# KiCad board selen-full_narrow.kicad_pcb
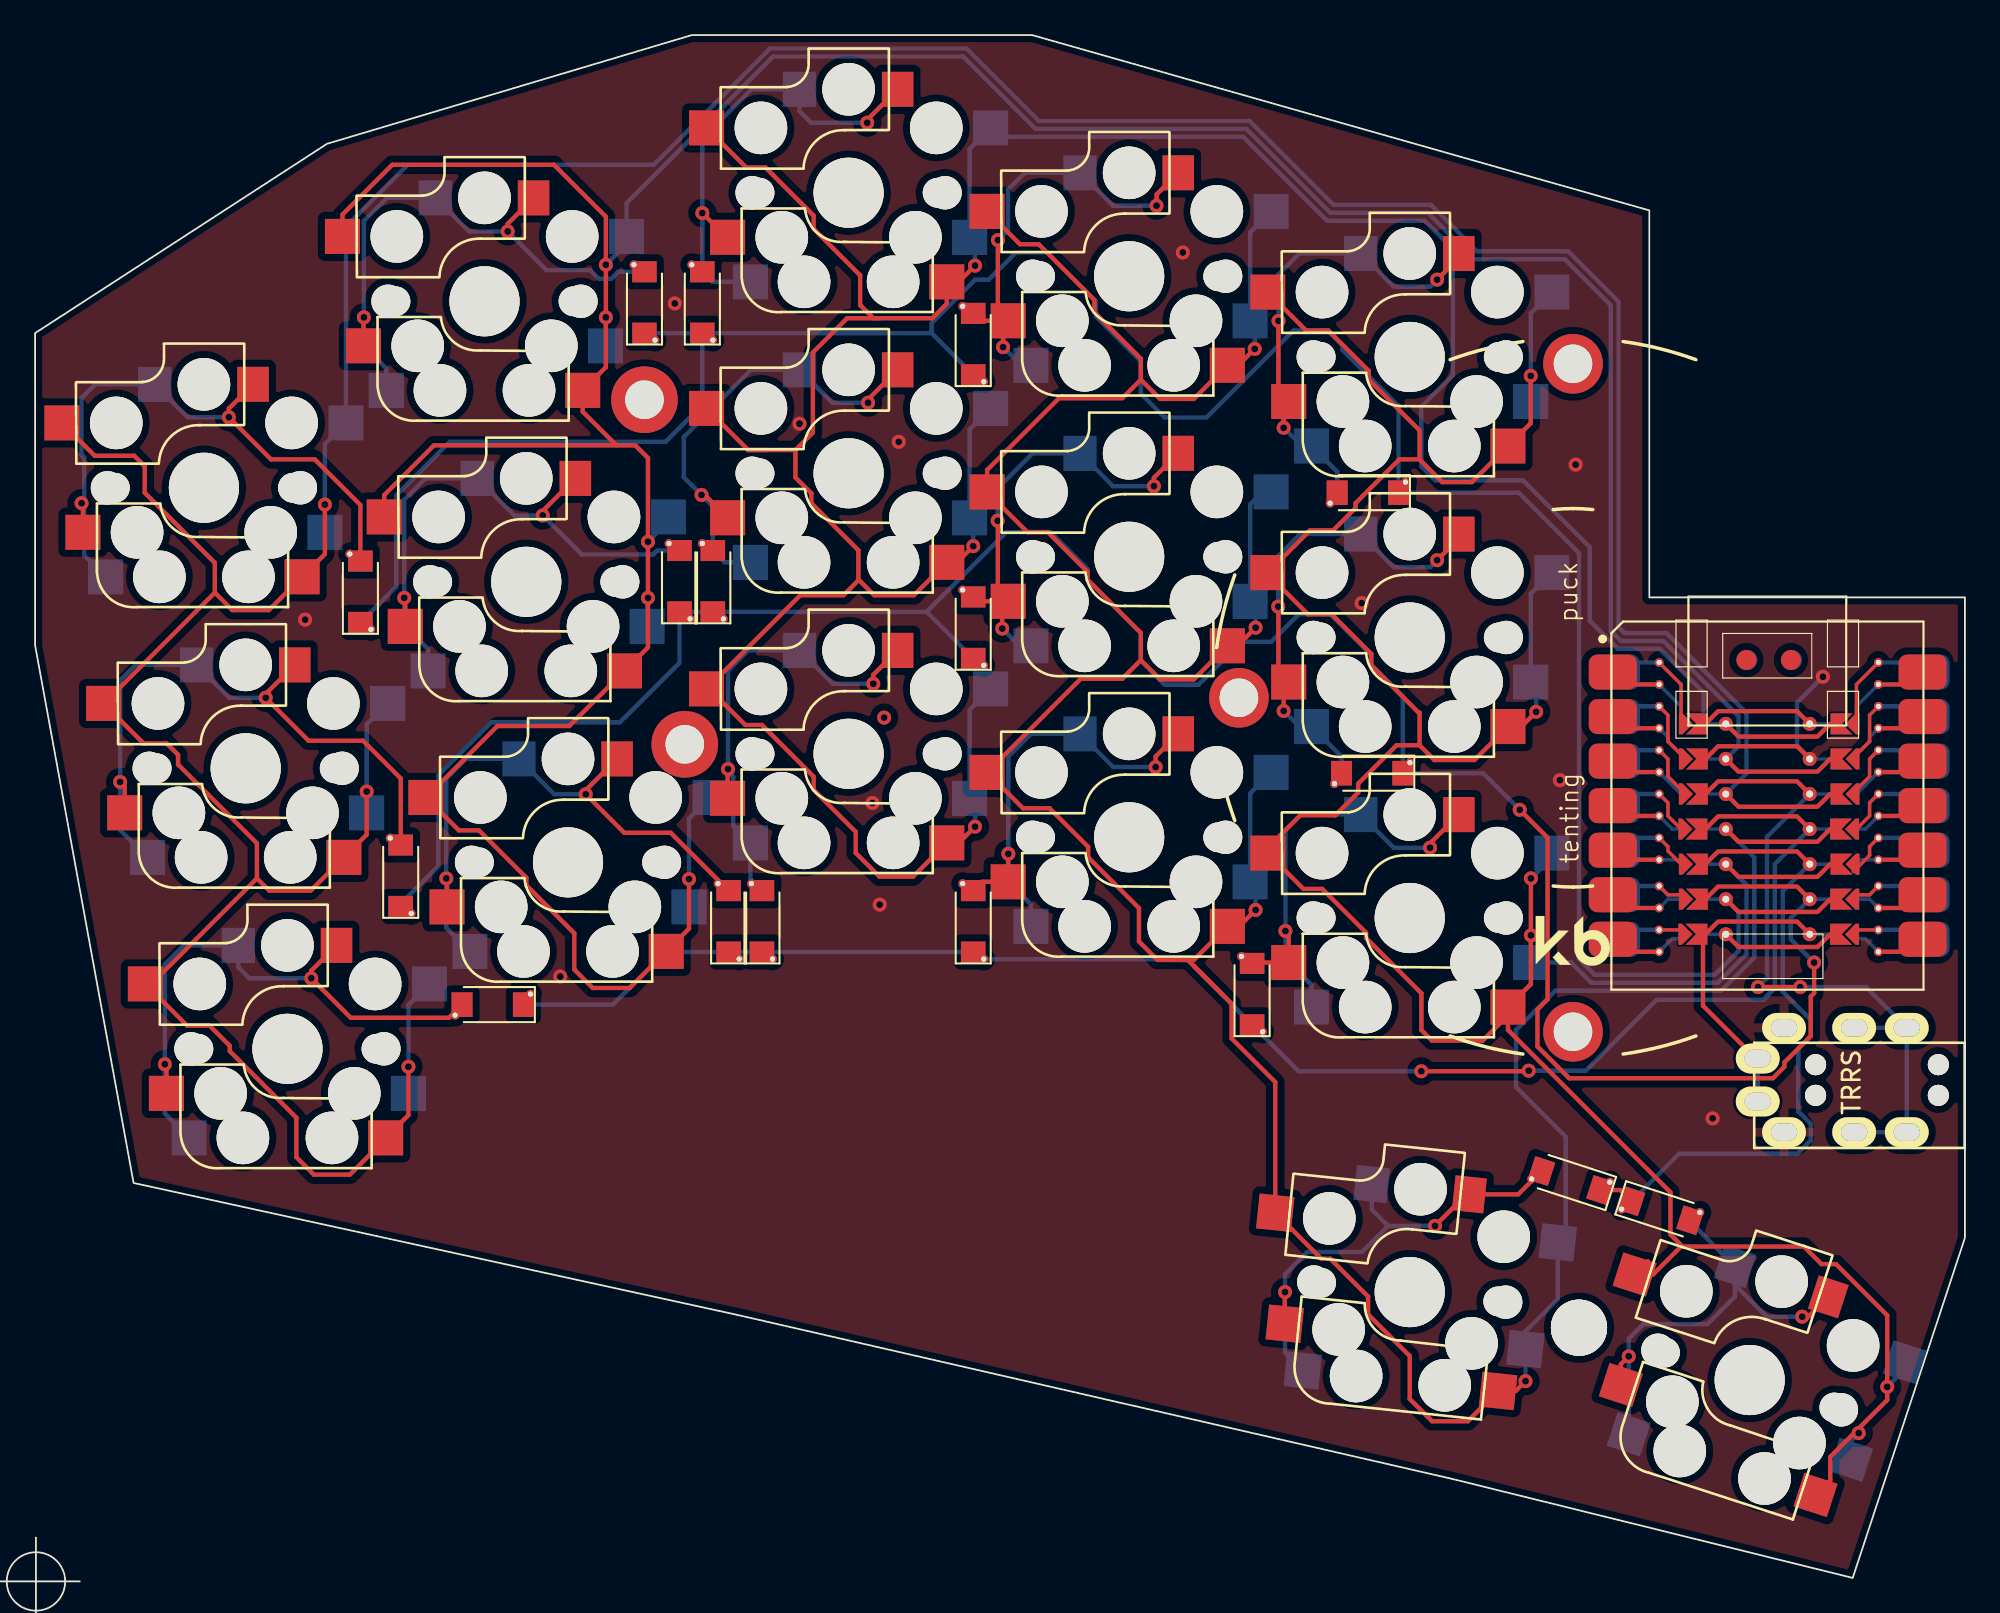
[diagram p0: board, top side]
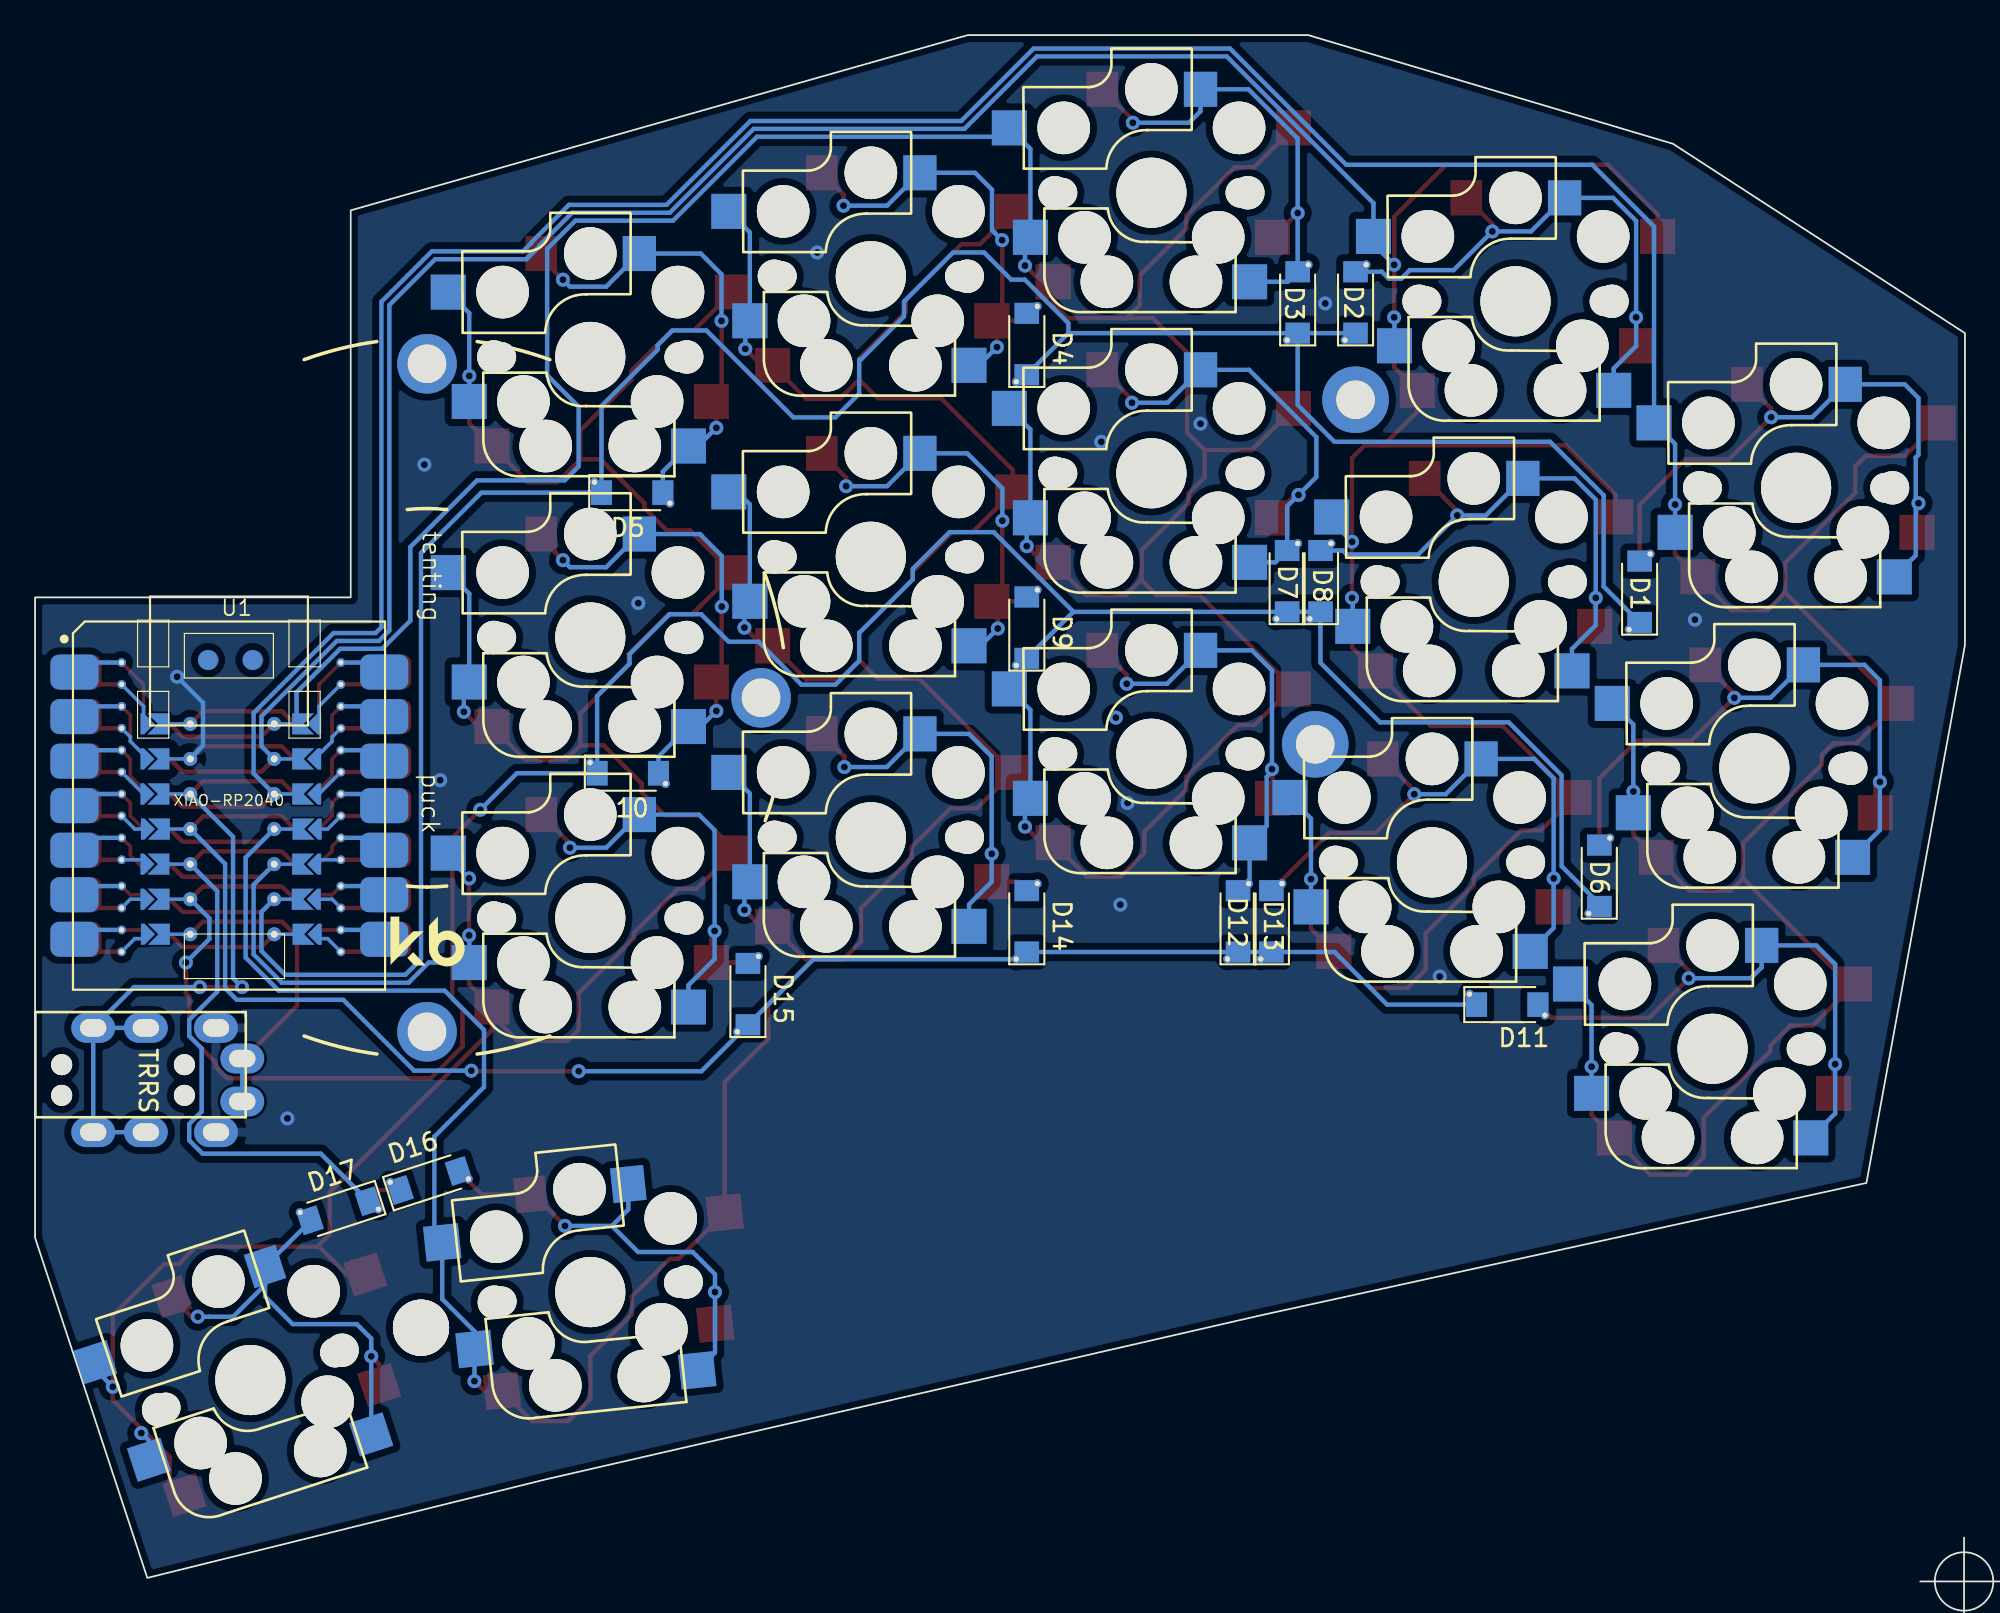
[diagram p1: board, bottom side, seen from below]

Outline 110.05 x 88 mm; copper layers: Top, Bottom. Coordinates in mm from the lower left corner of the outline.
Outline path: 92.05,78 92.05,55.93 110.05,55.93 110.05,19.4 103.65,0 80.8,5.65 61.85,10 40.05,15 5.62,22.53 0,53.2 0,71 16.65,81.8 37.45,88 56.85,88 closed
Stack: Top 0.035mm / dielectric 1.51mm FR4 er 4.5 / Bottom 0.035mm

## Placement (name value [footprint] x y rotation side)
D1  D  [D_SOD-123_axial]  18.55 56.2 90 top
D2  D  [D_SOD-123_axial]  34.75 72.7 90 top
D3  D  [D_SOD-123_axial]  38.05 72.7 90 top
D4  D  [D_SOD-123_axial]  53.5 70.33 90 top
D5  D  [D_SOD-123_axial]  76.05 61.9 180 top
D6  D  [D_SOD-123_axial]  20.85 40 90 top
D7  D  [D_SOD-123_axial]  36.75 56.8 90 top
D8  D  [D_SOD-123_axial]  38.65 56.8 90 top
D9  D  [D_SOD-123_axial]  53.5 54.15 90 top
D10  D  [D_SOD-123_axial]  76.3 45.9 180 top
D11  D  [D_SOD-123_axial]  26.15 32.7 180 top
D12  D  [D_SOD-123_axial]  39.55 37.4 90 top
D13  D  [D_SOD-123_axial]  41.45 37.4 90 top
D14  D  [D_SOD-123_axial]  53.5 37.4 90 top
D15  D  [D_SOD-123_axial]  69.4 33.25 90 top
D16  D  [D_SOD-123_axial]  87.62 22.65 162 top
D17  D  [D_SOD-123_axial]  92.66 20.96 342 top
J1  AudioJack4  [MJ-4PP-9]  110.03 27.53 270 top
REF**  -  [MountingHole_2.2mm_M2_DIN965_Pad]  34.75 67.2 0 top
REF**#2  Tenting Puck  [Tenting_Puck_1-3]  87.7 50.2 0 top
REF**#3  -  [MountingHole_2.2mm_M2_DIN965_Pad]  37.05 47.55 0 top
REF**#4  -  [MountingHole_3.2mm_M3]  88.04 14.27 0 top
SW1  SW_Push  [CherryMX_Choc_Hotswap]  9.63 62.18 180 top
SW2  SW_Push  [CherryMX_Choc_Hotswap]  25.63 72.82 180 top
SW3  SW_Push  [CherryMX_Choc_Hotswap]  46.39 79.01 180 top
SW4  SW_Push  [CherryMX_Choc_Hotswap]  62.39 74.24 180 top
SW5  SW_Push  [CherryMX_Choc_Hotswap]  78.39 69.64 180 top
SW6  SW_Push  [CherryMX_Choc_Hotswap]  12.01 46.18 180 top
SW7  SW_Push  [CherryMX_Choc_Hotswap]  28.01 56.82 180 top
SW8  SW_Push  [CherryMX_Choc_Hotswap]  46.39 63.01 180 top
SW9  SW_Push  [CherryMX_Choc_Hotswap]  62.39 58.24 180 top
SW10  SW_Push  [CherryMX_Choc_Hotswap]  78.39 53.64 180 top
SW11  SW_Push  [CherryMX_Choc_Hotswap]  14.39 30.18 180 top
SW12  SW_Push  [CherryMX_Choc_Hotswap]  30.39 40.82 180 top
SW13  SW_Push  [CherryMX_Choc_Hotswap]  46.39 47.01 180 top
SW14  SW_Push  [CherryMX_Choc_Hotswap]  62.39 42.24 180 top
SW15  SW_Push  [CherryMX_Choc_Hotswap]  78.39 37.64 180 top
SW16  SW_Push  [CherryMX_Choc_Hotswap]  78.39 16.3 174 top
SW17  SW_Push  [CherryMX_Choc_Hotswap]  97.77 11.29 162 top
U1  XIAO-RP2040  [XIAO-MOUDLE14P-2.54-21X17.8MM_SMD_reversible]  88.61 33.46 0 top

## Footprints (pads in the part's own frame, mm; a bottom-side part is the same pattern mirrored in y, then rotated)
CherryMX_Choc_Hotswap
  round 1.9 hole 1.9 unplated: (-5.5,0) (5.5,0)
  round 1.7 hole 1.7 unplated: (-5.08,0) (5.08,0)
  round 3 hole 3 unplated: (-5,-3.7) (-3.81,2.54) (-2.54,5.08) (0,-5.9) (2.54,5.08) (3.81,2.54) (5,-3.7)
  round 4 hole 4 unplated: (0,0)
  rect 2x2 smd far side: 1(-8.1,-3.7) 1(-6.9,2.54) 2(5.6,5.08)
  rect 2x2 smd: 1(-5.6,5.08) 1(8.1,-3.7) 2(6.9,2.54)
  rect 1.8x2 smd: 2(-2.8,-5.9)
  rect 1.9x2 smd far side: 2(2.8,-5.9)
D_SOD-123_axial
  round 0.5 hole 0.3: 1(-2.1,-0.6) 2(2.2,0.6)
  rect 1.2x1.4 smd: 1(-1.7,0) 2(1.8,0)
  rect 1.2x1.4 smd far side: 1(-1.7,0) 2(1.8,0)
MJ-4PP-9
  round 1.2 hole 1.2 unplated: (-1.75,-1.5) (-1.75,-8.5) (0,-1.5) (0,-8.5)
  oval 1.7x2.5 hole 1x1.5: A(-2.1,-11.8) A(0.35,-11.8) B(-3.85,-3.3) B(2.1,-3.3) C(-3.85,-6.3) C(2.1,-6.3) D(-3.85,-10.3) D(2.1,-10.3)
MountingHole_2.2mm_M2_DIN965_Pad
  round 3.8 hole 2.2: 1(0,0)
MountingHole_3.2mm_M3
  round 3.2 hole 3.2 unplated: (0,0) (0,0)
Tenting_Puck_1-3
  round 3.4 hole 2.2: 1(-19.05,0) 1(0,19.05) 1(0,-19.05)
XIAO-MOUDLE14P-2.54-21X17.8MM_SMD_reversible
  rrect 2.748x1.999 smd: (1.358,18.206) (1.358,15.666) (1.358,13.126) (1.358,10.586) (1.358,8.046) (1.358,5.506) (1.358,2.966) (19.024,18.206) (19.024,15.666) (19.024,13.126) (19.024,10.586) (19.024,8.046) (19.024,5.506) (19.024,2.966)
  rrect 2.748x1.999 smd far side: (1.524,18.206) (1.524,15.666) (1.524,13.126) (1.524,10.586) (1.524,8.046) (1.524,5.506) (1.524,2.966) (19.191,18.206) (19.191,15.666) (19.191,13.126) (19.191,10.586) (19.191,8.046) (19.191,5.506) (19.191,2.966)
  round 0.5 hole 0.3: (4,18.75) (4,17.5) (4,16.25) (4,15) (4,13.75) (4,12.5) (4,11.25) (4,10) (4,8.75) (4,7.5) (4,6) (4,4.75) (4,3.5) (4,2.25) (16.5,18.75) (16.5,17.5) (16.5,16.25) (16.5,15) (16.5,13.75) (16.5,12.5) (16.5,11.25) (16.5,10) (16.5,8.75) (16.5,7.5) (16.5,6) (16.5,4.75) (16.5,3.5) (16.5,2.25)
  custom 0.8x1.2 smd: (5.5,9.25) (5.5,3.25) (5.524,15.25) (5.524,13.25) (5.524,11.25) (5.524,7.25) (5.524,5.25) (15,9.25) (15,5.25) (15,3.25) (15.024,15.25) (15.024,13.25) (15.024,11.25) (15.024,7.25)
  custom 0.8x1.2 smd far side: (5.5,9.25) (5.5,3.25) (5.524,15.25) (5.524,13.25) (5.524,11.25) (5.524,7.25) (5.549,5.25) (15,9.25) (15,3.25) (15.024,15.25) (15.024,13.25) (15.024,11.25) (15.024,7.25) (15.024,5.25)
  custom 1.25x1.2 smd far side: 1(6.524,15.25) 2(6.524,13.25) 3(6.524,11.25) 4(6.5,9.25) 5(6.524,7.25) 6(6.549,5.25) 7(6.5,3.25) 8(14,3.25) 9(14.024,5.25) 10(14.024,7.25) 11(14,9.25) 12(14.024,11.25) 13(14.024,13.25) 14(14.024,15.25)
  custom 6.2x0.975 smd: 1(7.801,15.25) 2(7.801,13.25) 3(7.801,11.25) 4(7.801,9.25) 5(7.801,7.25) 6(7.801,5.25) 7(7.801,3.25) 8(12.587,3.25) 9(12.587,5.25) 10(12.587,7.25) 11(12.587,9.25) 12(12.587,11.25) 13(12.587,13.25) 14(12.587,15.25)
  round 0.8 hole 0.4: 1(7.801,15.25) 2(7.801,13.25) 3(7.801,11.25) 4(7.801,9.25) 5(7.801,7.25) 6(7.801,5.25) 7(7.801,3.25) 8(12.587,3.25) 9(12.587,5.25) 10(12.587,7.25) 11(12.587,9.25) 12(12.587,11.25) 13(12.587,13.25) 14(12.587,15.25)
  custom 1.25x1.2 smd: 1(14.024,15.25) 2(14.024,13.25) 3(14.024,11.25) 4(14,9.25) 5(14.024,7.25) 6(14,5.25) 7(14,3.25) 8(6.5,3.25) 9(6.524,5.25) 10(6.524,7.25) 11(6.5,9.25) 12(6.524,11.25) 13(6.524,13.25) 14(6.524,15.25)
  round 1.143 smd: 17(8.973,18.893) 18(11.513,18.893)
  round 1.143 smd far side: 17(11.576,18.893) 18(9.036,18.893)

## Nets
+3V3: J1.B J1.C U1.12
GND: J1.D U1.13
col0: SW1.1 SW6.1 SW11.1 U1.3
col1: SW2.1 SW7.1 SW12.1 U1.2
col2: SW3.1 SW8.1 SW13.1 U1.1
col3: SW4.1 SW9.1 SW14.1 SW16.1 U1.4
col4: SW5.1 SW10.1 SW15.1 SW17.1 U1.5
data: J1.A U1.8
row0: D1.1 D2.1 D3.1 D4.1 D5.1 U1.6
row1: D6.1 D7.1 D8.1 D9.1 D10.1 U1.9
row2: D11.1 D12.1 D13.1 D14.1 D15.1 U1.11
row3: D16.1 D17.1 U1.10
Net-(D1-Pad2): D1.2 SW1.2
Net-(D2-Pad2): D2.2 SW2.2
Net-(D3-Pad2): D3.2 SW3.2
Net-(D4-Pad2): D4.2 SW4.2
Net-(D5-Pad2): D5.2 SW5.2
Net-(D6-Pad2): D6.2 SW6.2
Net-(D7-Pad2): D7.2 SW7.2
Net-(D8-Pad2): D8.2 SW8.2
Net-(D9-Pad2): D9.2 SW9.2
Net-(D10-Pad2): D10.2 SW10.2
Net-(D11-Pad2): D11.2 SW11.2
Net-(D12-Pad2): D12.2 SW12.2
Net-(D13-Pad2): D13.2 SW13.2
Net-(D14-Pad2): D14.2 SW14.2
Net-(D15-Pad2): D15.2 SW15.2
Net-(D16-Pad2): D16.2 SW16.2
Net-(D17-Pad2): D17.2 SW17.2

Pads without a net: REF** 1; REF**#2 1; REF**#3 1; U1 7 14 17 18

## Via types
v1: diameter 0.8, hole 0.4, Top to Bottom, 79 vias

## Routing (per net, layer and track width the routed paths; a pad name or vN(x,y) marks a point on that pad's centre or on a via; arc(x,y) is an arc through that point)
+3V3: length 33.2
  Top w0.25: v1(98.25,33.7) v1(100.66,33.7)
  Bottom w0.25: J1.B J1.B J1.C ; J1.B J1.C ; J1.B 104.41,33.7 v1(100.66,33.7) ; 100.9,44.41 98.76,42.27 98.76,34.21 v1(98.25,33.7)
GND: length 7
  Bottom w0.25: 100.75,25.43 100.77,25.45 ; 100.77,31.35 100.75,31.38 ; 99.65,31.38 100.77,31.38 ; 100.05,25.83 99.65,25.43 ; 100.9,47.01 100.92,47.03 100.48,47.47 100.48,49.93 v1(101.95,51.4)
  vias: v1(15.4,54.66) v1(29.95,34.3) v1(36.48,72.69) v1(43.59,65.83) v1(47.75,44.2) v1(48.16,38.4) v1(49.25,64.8) v1(65.45,75.6) v1(75.65,55.6) v1(86.95,45.5) v1(87.85,63.5) v1(95.66,26.21)
(no net):
  vias: v1(48.42,49.07)
col0: length 239.9
  Top w0.25: 10.25,56.2 10.25,57.9 6.25,61.9 6.25,63.4 5.65,64 3.4,64 SW1.1 ; 10.25,56.2 3.93,49.88 SW6.1 6.19,47.6 7.5,47.6 8.15,46.95 8.15,46.4 12.65,41.9 12.65,39.9 ; 10.25,56.2 11.25,55.2 13.33,55.2 SW1.1 16.53,58.4 v1(16.53,61.22) ; 12.65,39.9 6.63,33.88 SW11.1 8.67,31.5 9.95,31.5 11.1,30.35 11.1,30.05 14.9,26.25 14.9,24 15.9,23 17.95,23 19.99,25.04 SW11.1 21.29,26.4 v1(21.29,29.16) ; 12.65,39.9 13.35,39.2 15.71,39.2 SW6.1 18.91,42.4 v1(18.91,44.85)
  Bottom w0.25: SW6.1 18.91,48.68 SW6.1 ; SW11.1 21.29,32.68 v1(21.29,29.16) SW11.1 ; 96.71,45.01 97.59,45.89 97.59,49.33 93.03,53.89 90.63,53.89 90.3,54.22 90.3,72.79 87.42,75.67 82.22,75.67 81.75,76.14 81.75,76.17 79.61,78.32 74.04,78.32 69.26,83.1 57.24,83.1 53.11,87.23 41.91,87.23 35.28,80.6 21.25,80.6 17.73,77.08 SW1.1 16.53,64.68 v1(16.53,61.22) SW1.1
col1: length 214.6
  Top w0.25: 33.15,64.6 22.74,64.6 19.91,61.77 SW7.1 ; 33.15,64.6 31.23,66.52 SW2.1 32.55,69.06 v1(32.55,71.9) v1(32.55,74.9) 32.55,77.64 29.59,80.6 20.36,80.6 17.53,77.77 SW2.1 ; 33.15,64.6 34.23,64.6 34.95,63.88 v1(34.95,59.1) v1(34.95,55.9) 34.95,53.08 SW7.1 30.46,48.59 26.37,48.59 22.29,44.52 24.17,42.64 25.31,42.64 28.02,39.93 28.02,39.5 30.75,36.77 30.75,34.7 31.8,33.65 33.91,33.65 SW12.1 37.29,37.04 v1(37.29,39.86)
  Bottom w0.25: SW7.1 34.91,55.86 v1(34.95,55.9) ; SW12.1 v1(37.29,39.86) 37.29,43.32 SW12.1 ; v1(32.55,74.9) 33.73,76.08 SW2.1 33.73,78.41 42.09,86.78 52.92,86.78 57.05,82.65 69.07,82.65 73.86,77.87 79.42,77.87 81.3,75.99 81.3,75.95 82.03,75.22 87.23,75.22 89.85,72.6 89.85,54.04 90.44,53.44 92.84,53.44 97.14,49.15 97.14,47.44 96.71,47.01 ; SW7.1 36.11,60.26 v1(34.95,59.1) ; v1(32.55,71.9) 32.53,71.88 SW2.1
col2: length 184.4
  Top w0.25: 46.95,56.95 46.95,56.9 46.1,56.05 43.64,56.05 SW13.1 38.44,50.71 40.5,48.65 41.45,48.65 44.4,45.7 44.4,44.95 46.8,42.55 46.8,41.35 48.15,40 50.06,40 SW13.1 52.68,41.93 v1(53.6,42.85) ; 46.95,56.95 47.85,56.05 50.11,56.05 SW8.1 52.58,57.93 v1(53.5,58.85) ; 46.95,56.95 46.95,58.62 44.27,61.3 44.27,61.86 44.26,61.86 43.36,62.76 43.36,64.33 ; SW8.1 40.67,64.33 ; 40.67,64.33 43.36,64.33 ; 40.67,64.33 41.8,64.33 ; SW3.1 40.55,80.45 41.65,80.45 44.4,77.7 44.4,76.95 47.05,74.3 47.05,72.6 47.8,71.85 48.2,71.85 ; 43.36,64.33 44.35,65.33 44.35,69.9 46.31,71.85 48.2,71.85 ; v1(53.6,74.85) 52.68,73.93 SW3.1 51.99,72.68 51.16,71.85 48.2,71.85
  Bottom w0.25: SW13.1 53.29,49.51 SW13.1 53.6,44.16 v1(53.6,42.85) ; 95.14,49.14 95.14,50.51 92.66,52.99 90.26,52.99 88.65,54.6 88.65,58.8 84.85,62.6 79.85,62.6 79.05,63.4 79.05,66.8 80.85,68.6 80.85,75.8 79.23,77.42 73.67,77.42 68.88,82.2 55,82.2 SW3.1 53.29,81.51 SW3.1 53.6,76.16 v1(53.6,74.85) ; v1(53.5,58.85) 53.5,60.26 SW8.1 53.29,65.51 SW8.1
col3: length 200.9
  Top w0.25: v1(69.55,70.1) 68.61,69.16 SW4.1 66.08,67.25 64.15,67.25 63.06,68.34 ; v1(69.6,54.2) 68.56,53.16 SW9.1 66.08,51.25 64.16,51.25 63.06,52.35 ; v1(84.99,11.22) 84.44,10.67 SW16.1 81.7,8.94 79.66,8.94 78.39,10.21 78.39,12.66 76.01,15.03 76.01,16.05 73.86,18.2 73.35,18.2 SW16.1 70.72,28.28 68.23,30.77 68.23,32.76 67.72,33.27 ; 63.06,52.35 61.99,51.29 59.64,51.29 SW14.1 56.33,43.9 57.85,43.9 60.05,41.7 60.05,41.1 62.95,38.2 62.95,36.3 64,35.25 65.3,35.25 ; 63.06,52.35 63.06,53.89 60.02,56.93 60.02,57.38 57.75,59.65 56.58,59.65 SW9.1 54.29,63.19 58.39,67.29 62,67.29 63.06,68.34 ; 66.08,34.91 67.72,33.27 ; 67.72,33.27 65.74,35.25 65.3,35.25 ; SW4.1 56.17,76.07 57.23,76.07 60.4,72.9 60.4,72.2 63.06,69.54 63.06,68.34 ; 65.3,35.25 66.08,35.25 SW14.1 68.66,37.16 v1(69.6,38.1)
  Bottom w0.25: v1(84.99,11.22) 84.99,13.05 SW16.1 84.99,14.06 86.83,15.91 SW16.1 87.28,19.58 87.28,25.17 84.45,28 84.45,31.25 86.7,33.5 96.16,33.5 98.04,35.38 98.04,41.09 96.71,42.41 ; v1(69.55,70.1) 69.55,71.44 SW4.1 69.29,76.74 SW4.1 ; v1(69.6,54.2) 69.6,55.39 SW9.1 69.29,61.24 70,61.94 ; 70,45.45 69.29,44.74 SW14.1 69.6,39.39 v1(69.6,38.1)
col4: length 187.3
  Top w0.25: SW15.1 83.99,31.26 93.26,21.99 93.26,19.59 93.95,18.9 ; SW15.1 85.3,33.87 v1(85.3,36.65) v1(85.3,39.9) ; SW15.1 83.99,32.09 82.55,30.65 79.65,30.65 79.05,31.25 79.05,33.35 75.9,36.5 75.9,36.8 73.4,39.3 72.33,39.3 SW15.1 70.29,41.64 72.15,43.5 74.15,43.5 75.45,44.8 75.45,45.3 77.64,47.49 78.95,47.49 ; 78.95,63.8 78.95,65.45 76.05,68.35 76.05,68.85 73.75,71.15 72.48,71.15 SW5.1 ; 78.95,63.8 80.25,62.5 81.93,62.5 SW5.1 85.29,65.86 v1(85.29,68.56) ; 78.95,63.8 77.8,63.8 75.3,61.3 75.3,61.03 74.02,59.75 72.7,59.75 SW10.1 70.29,57.26 72.58,54.97 73.93,54.97 76.2,52.7 76.2,52.05 78.9,49.35 78.95,49.35 78.95,47.49 ; v1(85.6,49.4) 84.76,48.56 SW10.1 82.08,46.65 79.79,46.65 78.95,47.49 ; 91.97,18.06 SW17.1 92.27,17.31 93.86,18.9 93.95,18.9 ; 93.95,18.9 100.87,18.9 101.87,17.9 102.69,17.9 105.62,14.97 v1(105.62,10.9) 105.62,10.15 102.37,6.9 102.37,5.56 SW17.1
  Bottom w0.25: SW5.1 85.29,72.14 v1(85.29,68.56) SW5.1 ; SW17.1 106.62,11.9 v1(105.62,10.9) ; 96.71,40.41 97.59,39.54 97.59,35.57 95.97,33.95 88.75,33.95 87.6,35.1 SW15.1 85.29,36.64 v1(85.3,36.65) ; SW17.1 103.55,7.82 v1(103.99,8.26) ; SW15.1 86.49,41.09 v1(85.3,39.9) ; v1(85.6,49.4) 85.6,50.79 SW10.1 85.29,56.14 SW10.1
data: length 10.9
  Top w0.25: U1.8 95.11,32.64 98.12,29.62 J1.A
  Bottom w0.25: J1.A J1.A
row0: length 142.6
  Bottom w0.25: 51.13,71 D4.1 ; 51.13,71 D3.1 ; 51.13,71 51.13,71.57 53.61,74.05 54.38,74.05 55.93,75.6 57.7,75.6 60.5,72.8 60.5,71.95 62.95,69.5 63,69.5 63.06,69.44 63.06,67.55 64.41,66.19 66.81,66.19 71.76,71.15 73.7,71.15 74.55,70.3 74.55,70.05 77.75,66.85 D5.1 84.6,61.9 88.04,58.46 88.04,35.29 88.94,34.4 95.78,34.4 97.14,35.75 97.14,37.99 96.71,38.41 ; D3.1 D2.1 ; D3.1 38.05,66.9 35.95,64.8 23.65,64.8 20.6,61.75 20.6,56.55 D1.1
row1: length 135.6
  Top w0.25: v1(84.66,43.81) 86.25,42.22 86.25,33 85.67,32.43 85.67,30.31 87.49,28.5 99.1,28.5 99.76,29.16 99.76,29.41 101.26,30.91 101.26,33.16 101.45,33.35 v1(101.45,35.1)
  Bottom w0.25: 50.85,55.1 D9.1 ; 50.85,55.1 D8.1 D7.1 36.75,52.2 33.35,48.8 26.01,48.8 23,45.79 23,40.6 20.85,38.45 D6.1 ; 50.85,55.1 50.85,55.11 55.38,59.65 57.9,59.65 60,57.55 60,56.95 63.06,53.89 63.06,52.3 64.41,50.95 66.35,50.95 68.8,53.4 70.5,53.4 72.07,54.97 73.87,54.97 76.15,52.68 76.15,52.15 78,50.3 D10.1 82.57,45.9 v1(84.66,43.81) ; 100.9,38.41 100.11,37.62 100.11,36.44 v1(101.45,35.1)
row2: length 86.9
  Top w0.25: v1(79.05,28.9) 85.14,28.9 v1(85.17,28.93)
  Bottom w0.25: v1(79.05,28.9) 72.05,28.9 D15.1 65.66,35.29 53.91,35.29 D14.1 D13.1 D12.1 35.95,35.7 32.95,32.7 D11.1 ; v1(85.17,28.93) 88.43,28.93 92.48,32.98 98.55,32.98 99.21,33.64 99.21,40.72 100.9,42.41
row3: length 30.9
  Top w0.25: D16.1 90.4,22.12 D17.1
  Bottom w0.25: 100.9,40.41 99.66,39.17 99.66,33.44 101.26,31.84 101.26,30.91 100.55,30.2 100.55,26.6 101.26,25.89 101.26,24.96 100.5,24.2 93.76,24.2 D17.1
Net-(D1-Pad2): length 37.2
  Top w0.25: v1(2.65,61.3) 2.73,61.22 SW1.2 ; SW1.2 11.05,66.7 v1(11.05,66.2) 13.45,63.8 15.95,63.8 18.55,61.2 D1.2
  Bottom w0.25: SW1.2 2.8,58.32 2.8,63.91 2.65,64.06 2.65,67.3 3.43,68.08 SW1.2 8.7,66.2 v1(11.05,66.2)
Net-(D2-Pad2): length 33
  Top w0.25: v1(26.95,76.8) 26.95,77.24 SW2.2 ; SW2.2 18.73,71.88 v1(18.75,71.9)
  Bottom w0.25: D2.2 33.25,74.5 32.85,74.1 32.15,74.1 31.66,74.59 29.16,74.59 v1(26.95,76.8) 24.74,76.8 SW2.2 20.06,78.72 18.75,77.4 v1(18.75,71.9) 18.75,70.26 20.03,68.98 SW2.2
Net-(D3-Pad2): length 27.3
  Top w0.25: v1(38.05,77.85) 39.43,76.47 SW3.2 ; 49.19,84.91 47.45,83.17 v1(47.45,83)
  Bottom w0.25: SW3.2 38.62,73.93 D3.2 v1(38.05,77.85) 38.05,82.1 40.86,84.91 SW3.2 43.59,83.66 44.25,83 v1(47.45,83)
Net-(D4-Pad2): length 26.1
  Top w0.25: SW4.2 55.2,71.41 v1(55.2,70.2) ; SW4.2 54.9,72.29 54.9,76.29 v1(54.91,76.3) ; SW4.2 53.92,71.7 D4.2 ; v1(63.95,78.27) 63.95,78.9 SW4.2
  Bottom w0.25: v1(54.91,76.3) 55.48,76.87 55.48,79.18 56.44,80.14 SW4.2 61.47,78.27 v1(63.95,78.27) ; v1(55.2,70.2) 56.24,69.16 SW4.2 ; 53.83,72.13 D4.2
Net-(D5-Pad2): length 26.9
  Top w0.25: SW5.2 81.19,75.29 v1(79.95,74.05) ; v1(71.2,65.6) 71.2,66.81 SW5.2 70.9,67.69 70.9,71.69 v1(70.91,71.7)
  Bottom w0.25: D5.2 74.25,63.1 SW5.2 72.24,64.56 v1(71.2,65.6) ; v1(70.91,71.7) 70.91,74.36 72.09,75.54 SW5.2 77.48,73.65 79.55,73.65 v1(79.95,74.05)
Net-(D6-Pad2): length 38
  Top w0.25: SW6.2 5.11,45.14 v1(4.85,45.4) ; SW6.2 13.15,50.42 v1(13.15,50.2) 15.6,47.75 18.7,47.75 20.85,45.6 D6.2
  Bottom w0.25: v1(13.15,50.2) 11.09,50.2 SW6.2 5.73,52.08 4.85,51.2 v1(4.85,45.4) 4.85,42.66 SW6.2
Net-(D7-Pad2): length 33
  Top w0.25: v1(21.05,55.9) 21.11,55.84 SW7.2 ; SW7.2 28.95,60.86 v1(28.95,60.6)
  Bottom w0.25: D7.2 35.48,58.6 35.25,58.38 31.17,58.38 v1(28.95,60.6) 27.32,60.6 SW7.2 22.27,62.72 21.05,61.5 v1(21.05,55.9) 21.05,54.34 22.41,52.98 SW7.2
Net-(D8-Pad2): length 27.1
  Top w0.25: 49.19,68.91 47.5,67.22 v1(47.5,67.03) ; v1(38,61.77) 38.19,61.77 SW8.2
  Bottom w0.25: v1(47.5,67.03) 45.47,67.03 SW8.2 40.82,68.91 36.99,65.07 36.99,62.79 v1(38,61.77) 38.65,61.12 D8.2 39.32,57.93 SW8.2
Net-(D9-Pad2): length 25.5
  Top w0.25: v1(55.15,54.15) 55.15,55.36 SW9.2 ; v1(63.8,62.27) 63.8,62.75 SW9.2 ; SW9.2 53.74,55.7 D9.2 ; SW9.2 54.9,56.29 54.9,60.29 v1(54.89,60.3)
  Bottom w0.25: v1(54.89,60.3) 54.89,62.14 56.89,64.14 SW9.2 61.47,62.27 v1(63.8,62.27) ; v1(55.15,54.15) 56.14,53.16 SW9.2
Net-(D10-Pad2): length 27.1
  Top w0.25: v1(70.89,55.4) 70.9,55.39 70.9,51.69 SW10.2 71.2,50.81 v1(71.2,49.45) ; SW10.2 81.19,59.29 v1(79.95,58.05)
  Bottom w0.25: v1(79.95,58.05) 79.55,57.65 77.48,57.65 SW10.2 72.14,59.54 72.05,59.45 72.05,59.45 70.89,58.29 v1(70.89,55.4) ; D10.2 74.5,46.85 SW10.2 72.09,48.56 v1(71.2,49.45)
Net-(D11-Pad2): length 34.8
  Top w0.25: SW11.2 7.49,29.21 v1(7.4,29.3) ; D11.2 23.6,31.95 18,31.95 v1(15.75,34.2) 15.75,34.64 SW11.2
  Bottom w0.25: SW11.2 7.4,26.49 v1(7.4,29.3) 7.4,35 8.48,36.08 SW11.2 11.59,34.83 12.22,34.2 v1(15.75,34.2)
Net-(D12-Pad2): length 34.5
  Top w0.25: SW12.2 23.49,39.86 v1(23.45,39.9) ; 33.19,46.72 31.4,44.92 v1(31.4,44.7) 33.6,42.5 36.25,42.5 D12.2
  Bottom w0.25: 24.79,35.73 23.45,37.08 v1(23.45,39.9) 23.45,45.6 24.56,46.72 SW12.2 29.61,44.7 v1(31.4,44.7)
Net-(D13-Pad2): length 27.1
  Top w0.25: SW13.2 39.49,46.11 v1(39.52,46.13) ; 49.19,52.91 47.8,51.52 v1(47.8,51)
  Bottom w0.25: v1(47.8,51) 45.5,51 SW13.2 40.66,52.91 39.52,51.77 v1(39.52,46.13) 39.52,45.98 39.82,45.68 39.82,42.9 SW13.2 40.79,39.86 D13.2
Net-(D14-Pad2): length 26.2
  Top w0.25: v1(63.9,46.25) 63.9,46.85 SW14.2 ; v1(55.5,41.3) 55.49,41.29 SW14.2 54,39.7 D14.2
  Bottom w0.25: v1(63.9,46.25) 61.48,46.25 SW14.2 56.79,48.14 55.5,46.85 v1(55.5,41.3) 55.5,39.7 56.79,38.41 SW14.2
Net-(D15-Pad2): length 26.1
  Top w0.25: SW15.2 79.55,41.9 v1(79.55,41.65) ; v1(71.3,36.9) 71.49,36.71 SW15.2 69.9,35.1
  Bottom w0.25: SW15.2 72.79,33.81 71.3,35.3 v1(71.3,36.9) 71.3,42.65 72.19,43.54 SW15.2 77.48,41.65 v1(79.55,41.65)
Net-(D16-Pad2): length 27.6
  Top w0.25: v1(71.28,16.3) 71.26,16.29 SW16.2 ; v1(79.83,20.08) 81.63,21.88 SW16.2 84.58,21.88 D16.2
  Bottom w0.25: 77.16,20.08 76.22,21.01 SW16.2 ; 77.16,20.08 v1(79.83,20.08) ; 77.16,20.08 75.66,18.59 72.55,18.59 71.28,17.32 v1(71.28,16.3) 71.28,12.85 SW16.2
Net-(D17-Pad2): length 27.3
  Top w0.25: v1(100.77,14.9) 101.13,14.9 SW17.2 ; v1(90.88,12.64) 90.43,12.19 SW17.2
  Bottom w0.25: SW17.2 v1(90.88,12.64) 90.88,13.65 91.7,14.48 95.36,14.48 96.94,16.05 SW17.2 ; SW17.2 94.37,20.33 D17.2 ; SW17.2 96.94,16.71 98.75,14.9 v1(100.77,14.9)

## Copper pours and planes (outline as drawn; the poured copper is in the pictures)
GND on Top, Bottom: 92.05,78 92.05,55.93 110.05,55.93 110.05,19.4 103.65,0 80.8,5.65 61.85,10 40.05,15 5.62,22.53 0,53.2 0,71 16.65,81.8 37.45,88 56.85,88

## Text on the board
B.Mask: Selen / v.0.2.1 / narrow | PCB Designed / by @narinari
F.Mask: PCB Designed / by @narinari | Selen / v.0.2.1 / narrow
